# KiCad board SparkFun_RTK_Facet_mosaic_panelized.kicad_pcb (continued)
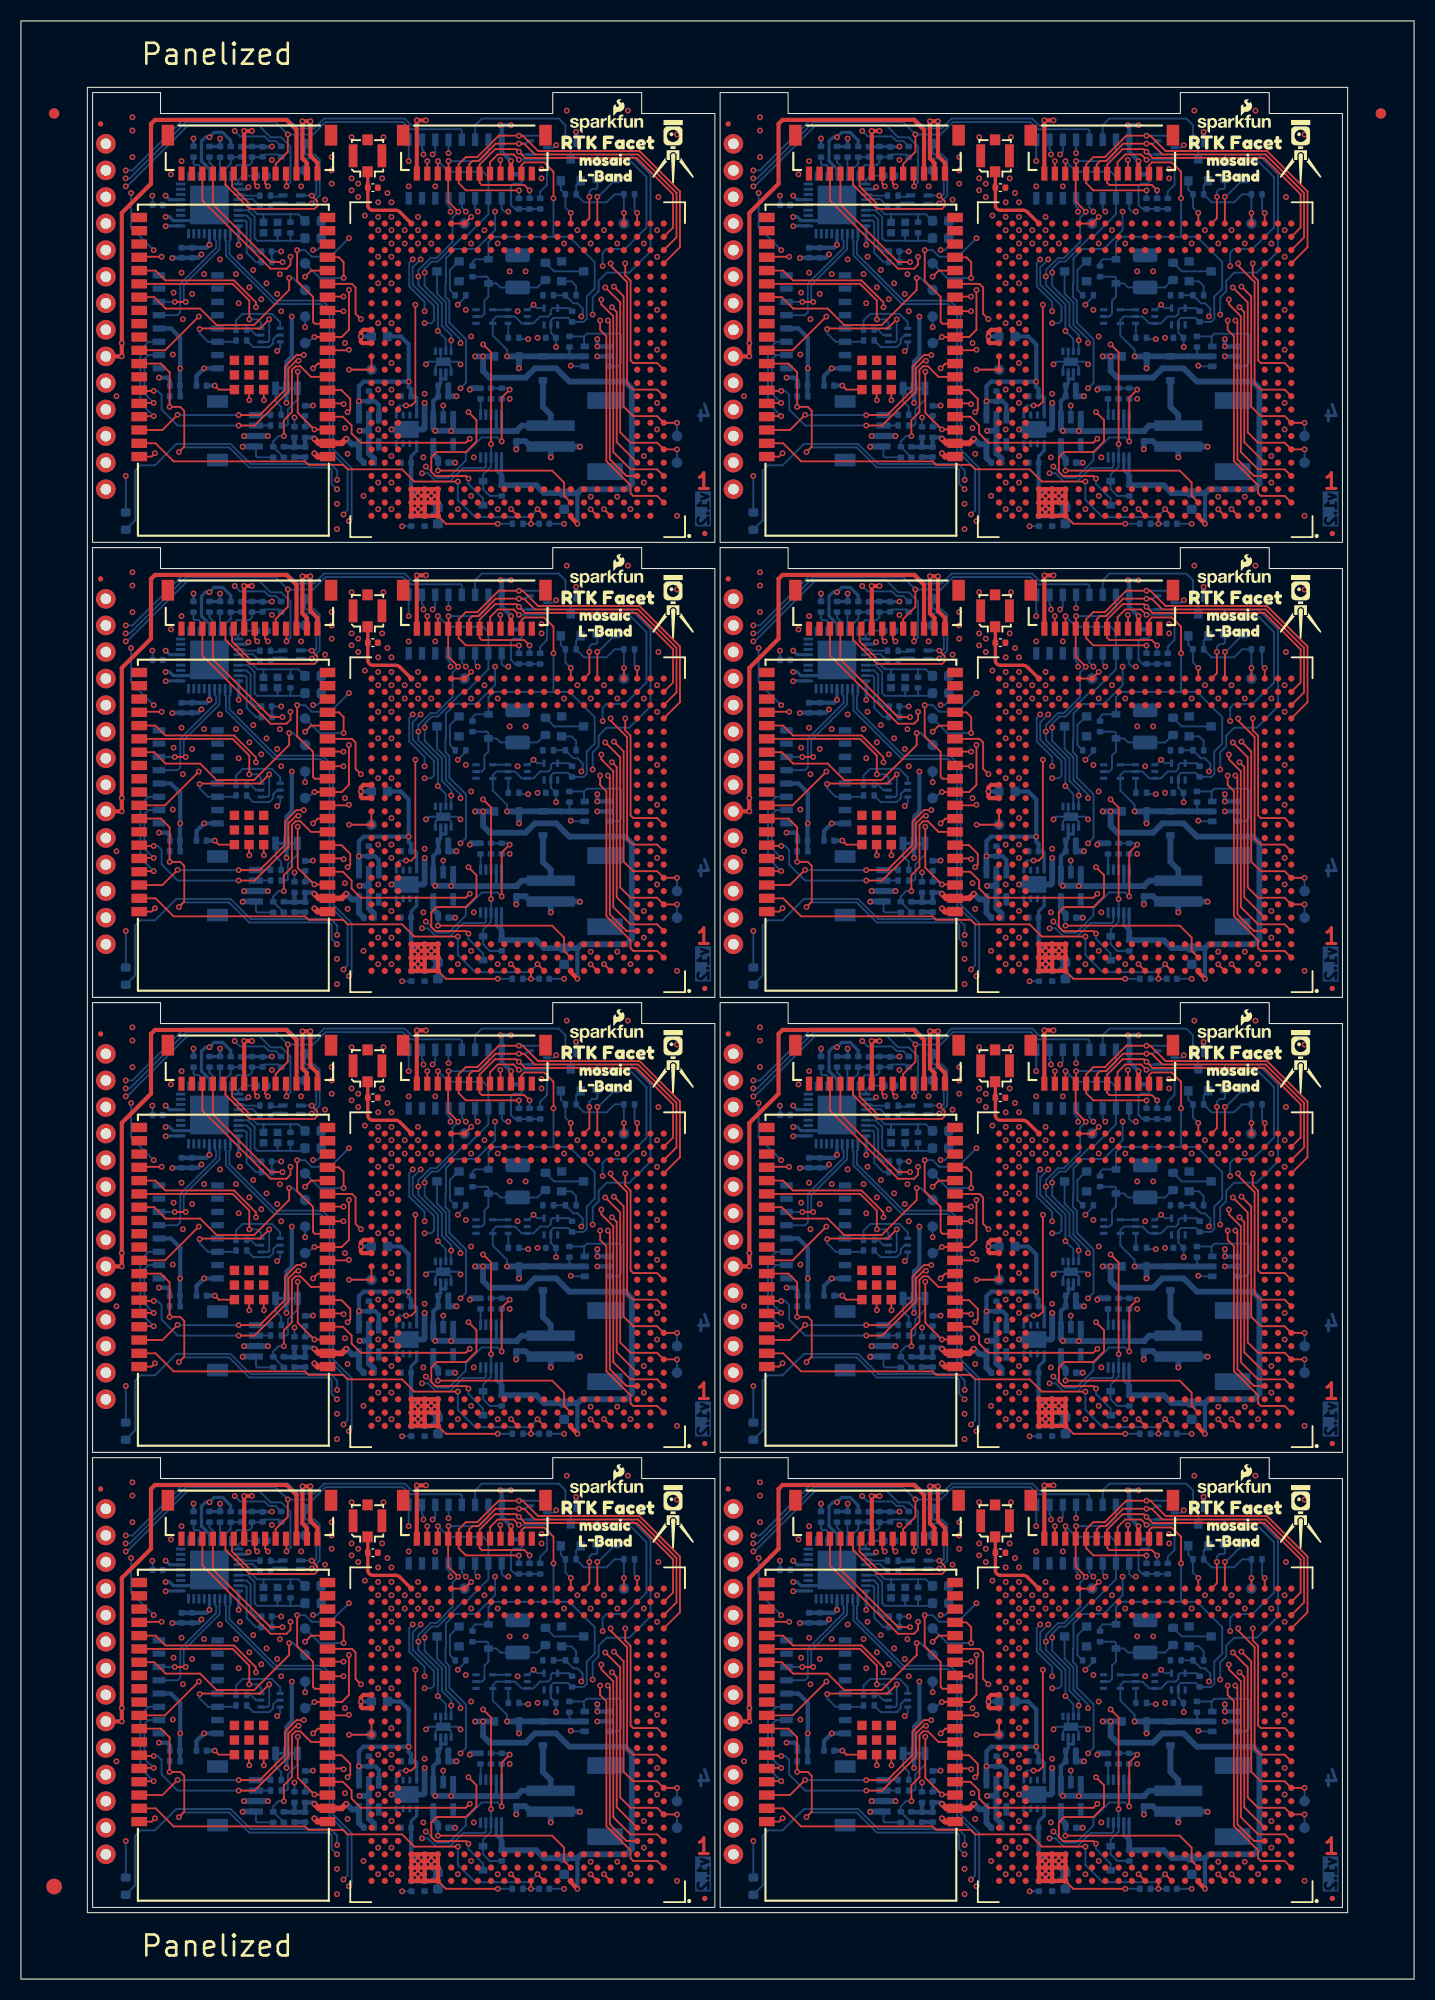
[diagram p0: board, top side]
## Routing (per net, layer and track width the routed paths; a pad name or vN(x,y) marks a point on that pad's centre or on a via; arc(x,y) is an arc through that point) (continued)
VBATT: length 501.7
  In2.Cu w0.559: TP10#4.1 9.39,57.97 9.95,57.41 10.32,57.41 10.4,57.33 10.92,57.33 10.92,57.45 11.08,57.61 30.57,57.61 30.85,57.33 35.93,57.33 v1(39.62,61.02) 41.11,61.02 v1(41.14,60.99) ; v1(41.14,17.49) 41.11,17.52 v1(39.62,17.52) 35.93,13.84 30.85,13.84 30.57,14.11 11.08,14.11 10.92,13.95 10.92,13.84 10.4,13.84 10.32,13.91 9.95,13.91 9.39,14.47 TP10#5.1 ; v1(101.14,147.99) 101.11,148.02 v1(99.62,148.02) 95.93,144.34 90.85,144.34 90.57,144.61 71.08,144.61 70.92,144.45 70.92,144.34 70.4,144.34 70.32,144.41 69.95,144.41 69.39,144.97 TP10#3.1 ; v1(101.14,104.49) 101.11,104.52 v1(99.62,104.52) 95.93,100.84 90.85,100.84 90.57,101.11 71.08,101.11 70.92,100.95 70.92,100.84 70.4,100.84 70.32,100.91 69.95,100.91 69.39,101.47 TP10#8.1 ; TP10#6.1 69.39,14.47 69.95,13.91 70.32,13.91 70.4,13.84 70.92,13.84 70.92,13.95 71.08,14.11 90.57,14.11 90.85,13.84 95.93,13.84 v1(99.62,17.52) 101.11,17.52 v1(101.14,17.49) ; TP10.1 69.39,57.97 69.95,57.41 70.32,57.41 70.4,57.33 70.92,57.33 70.92,57.45 71.08,57.61 90.57,57.61 90.85,57.33 95.93,57.33 v1(99.62,61.02) 101.11,61.02 v1(101.14,60.99) ; v1(41.14,104.49) 41.11,104.52 v1(39.62,104.52) 35.93,100.84 30.85,100.84 30.57,101.11 11.08,101.11 10.92,100.95 10.92,100.84 10.4,100.84 10.32,100.91 9.95,100.91 9.39,101.47 TP10#2.1 ; v1(41.14,147.99) 41.11,148.02 v1(39.62,148.02) 35.93,144.34 30.85,144.34 30.57,144.61 11.08,144.61 10.92,144.45 10.92,144.34 10.4,144.34 10.32,144.41 9.95,144.41 9.39,144.97 TP10#7.1
  Bottom w0.305: U10#4.10 45.95,104.51 ; 100.13,65.97 100.13,65.57 C6#4.1 ; 100.13,65.97 100.13,66.63 ; 100.13,65.97 100.63,65.97 100.63,65.97 U4.2 ; 105.46,149.56 105.46,147.99 105.46,147.99 ; 105.46,19.06 105.46,17.49 105.46,17.49 ; 45.46,62.56 45.46,60.99 45.46,60.99 ; 100.13,109.47 100.63,109.47 100.63,109.47 U4#2.2 ; 100.13,109.47 100.13,110.13 ; 100.13,109.47 100.13,109.07 C6.1 ; C6#6.1 100.13,22.07 100.13,22.47 ; 100.13,22.47 100.13,23.13 ; 100.13,22.47 100.63,22.47 100.63,22.47 U4#7.2 ; U10#7.10 45.95,148.01 ; C6#2.1 100.13,152.57 100.13,152.97 ; 45.46,149.56 45.46,147.99 45.46,147.99 ; 100.13,152.97 100.63,152.97 100.63,152.97 U4#3.2 ; 100.13,152.97 100.13,153.63 ; U4#8.2 40.63,22.47 40.63,22.47 40.13,22.47 ; 40.13,22.47 40.13,22.07 C6#8.1 ; 40.13,22.47 40.13,23.13 ; 105.46,62.56 105.46,60.99 105.46,60.99 ; U4#6.2 40.63,152.97 40.63,152.97 40.13,152.97 ; 40.13,109.47 40.13,109.07 C6#5.1 ; 40.13,109.47 40.13,110.13 ; 40.13,109.47 40.63,109.47 40.63,109.47 U4#5.2 ; 105.46,106.06 105.46,104.49 105.46,104.49 ; 45.46,17.49 45.46,17.49 45.46,19.06 ; U10#5.10 105.95,17.51 ; U10#6.10 105.95,61.01 ; U10#2.10 105.95,148.01 ; 40.13,152.97 40.13,153.63 ; 40.13,152.97 40.13,152.57 C6#7.1 ; U4#4.2 40.63,65.97 40.63,65.97 40.13,65.97 ; U10#8.10 105.95,104.51 ; U10#3.10 45.95,17.51 ; 40.13,65.97 40.13,66.63 ; 40.13,65.97 40.13,65.57 C6#3.1 ; U10.10 45.95,61.01 ; 45.46,104.49 45.46,104.49 45.46,106.06
  Bottom w0.406: U12#8.1 39.43,150.85 C24#5.1 C6#7.1 ; 45.95,61.01 45.97,60.99 ; C6#5.1 C24.1 39.43,107.35 U12#2.1 ; 105.95,61.01 105.97,60.99 ; U12#5.1 39.43,20.35 C24#7.1 C6#8.1 ; C6#3.1 C24#8.1 39.43,63.85 U12#3.1 ; 105.95,17.51 105.97,17.49 ; 45.95,104.51 45.97,104.49 ; C6#4.1 C24#2.1 99.43,63.85 U12#7.1 ; U12#4.1 99.43,107.35 C24#4.1 C6.1 ; U12#6.1 99.43,20.35 C24#3.1 C6#6.1 ; U12.1 99.43,150.85 C24#6.1 C6#2.1 ; 45.95,148.01 45.97,147.99 ; 105.95,148.01 105.97,147.99 ; 105.95,104.51 105.97,104.49 ; 45.95,17.51 45.97,17.49
  Bottom w0.559: U12#3.3 41.33,61.18 v1(41.14,60.99) ; v1(41.14,17.49) C16#5.1 47.88,18.01 J2#8.2 50.65,19.06 49.9,19.8 D4#3.A ; v1(41.14,17.49) 41.11,17.52 v1(39.62,17.52) 39.43,17.71 U12#5.1 ; v1(41.14,17.49) 41.33,17.68 U12#5.3 ; U12#7.3 101.33,61.18 v1(101.14,60.99) ; U12#4.1 99.43,104.71 v1(99.62,104.52) 101.11,104.52 v1(101.14,104.49) ; U12.3 101.33,148.18 v1(101.14,147.99) ; D4#7.A 109.9,150.3 110.65,149.56 J2.2 107.88,148.51 C16.1 v1(101.14,147.99) ; v1(41.14,60.99) C16#7.1 47.88,61.51 J2#2.2 50.65,62.56 49.9,63.3 49.9,65.84 ; v1(41.14,60.99) 41.11,61.02 v1(39.62,61.02) 39.43,61.21 U12#3.1 ; v1(101.14,60.99) C16#4.1 107.88,61.51 J2#4.2 110.65,62.56 109.9,63.3 109.9,65.84 ; v1(101.14,60.99) 101.11,61.02 v1(99.62,61.02) 99.43,61.21 U12#7.1 ; v1(41.14,104.49) 41.11,104.52 v1(39.62,104.52) 39.43,104.71 U12#2.1 ; v1(41.14,104.49) 41.33,104.68 U12#2.3 ; v1(41.14,104.49) C16#2.1 47.88,105.01 J2#5.2 50.65,106.06 49.9,106.8 D4#2.A ; v1(101.14,17.49) C16#6.1 107.88,18.01 J2#3.2 110.65,19.06 109.9,19.8 D4#5.A ; v1(101.14,17.49) 101.33,17.68 U12#6.3 ; v1(101.14,17.49) 101.11,17.52 v1(99.62,17.52) 99.43,17.71 U12#6.1 ; v1(41.14,147.99) C16#8.1 47.88,148.51 J2#7.2 50.65,149.56 49.9,150.3 D4#4.A ; v1(41.14,147.99) 41.11,148.02 v1(39.62,148.02) 39.43,148.21 U12#8.1 ; v1(41.14,147.99) 41.33,148.18 U12#8.3 ; v1(101.14,147.99) 101.11,148.02 v1(99.62,148.02) 99.43,148.21 U12.1 ; v1(101.14,104.49) 101.33,104.68 U12#4.3 ; v1(101.14,104.49) C16#3.1 107.88,105.01 J2#6.2 110.65,106.06 109.9,106.8 D4.A
VBUS_DET: length 50.8
  Bottom w0.178: U9#2.27 80.03,42.25 80.69,42.92 81.84,42.92 82.09,43.17 R20#4.1 83.08,43.68 C10#5.1 83.33,43.93 84.63,43.93 R19#8.2 ; U9#5.27 80.03,85.75 80.69,86.42 81.84,86.42 82.09,86.67 R20.1 83.08,87.18 C10.1 83.33,87.43 84.63,87.43 R19#2.2 ; U9#7.27 20.03,42.25 20.69,42.92 21.84,42.92 22.09,43.17 R20#8.1 23.08,43.68 C10#6.1 23.33,43.93 24.63,43.93 R19#3.2 ; U9#8.27 80.03,172.75 80.69,173.42 81.84,173.42 82.09,173.67 R20#6.1 83.08,174.18 C10#4.1 83.33,174.43 84.63,174.43 R19#4.2 ; U9#4.27 20.03,129.25 20.69,129.92 21.84,129.92 22.09,130.17 R20#3.1 23.08,130.68 C10#8.1 23.33,130.93 24.63,130.93 R19#5.2 ; U9#6.27 80.03,129.25 80.69,129.92 81.84,129.92 82.09,130.17 R20#2.1 83.08,130.68 C10#7.1 83.33,130.93 84.63,130.93 R19#6.2 ; R19#7.2 24.63,87.43 23.33,87.43 C10#3.1 23.08,87.18 R20#7.1 22.09,86.67 21.84,86.42 20.69,86.42 20.03,85.75 U9#3.27 ; U9.27 20.03,172.75 20.69,173.42 21.84,173.42 22.09,173.67 R20#5.1 23.08,174.18 C10#2.1 23.33,174.43 24.63,174.43 R19.2
VIN: length 539.8
  In2.Cu w0.406: v1(46.47,155.13) 46.47,153.68 ; 46.47,153.68 33.34,153.68 31.87,152.21 26.02,152.21 22.72,155.51 15.73,155.51 11.03,160.21 TP11#8.1 ; 46.47,153.68 47.31,153.68 v1(47.62,153.99) ; TP11#3.1 71.03,116.71 75.73,112.01 82.72,112.01 86.02,108.71 91.87,108.71 93.34,110.18 106.47,110.18 ; v1(107.62,110.49) 107.31,110.18 106.47,110.18 ; 106.47,66.68 107.31,66.68 v1(107.62,66.99) ; 106.47,66.68 93.34,66.68 91.87,65.21 86.02,65.21 82.72,68.51 75.73,68.51 71.03,73.21 TP11#5.1 ; 106.47,66.68 v1(106.47,68.13) ; 46.47,110.18 33.34,110.18 31.87,108.71 26.02,108.71 22.72,112.01 15.73,112.01 11.03,116.71 TP11#6.1 ; 46.47,110.18 47.31,110.18 v1(47.62,110.49) ; 46.47,110.18 v1(46.47,111.63) ; 46.47,66.68 47.31,66.68 v1(47.62,66.99) ; 46.47,66.68 v1(46.47,68.13) ; 46.47,66.68 33.34,66.68 31.87,65.21 26.02,65.21 22.72,68.51 15.73,68.51 11.03,73.21 TP11#4.1 ; v1(106.47,24.63) 106.47,23.18 ; 106.47,23.18 107.31,23.18 v1(107.62,23.49) ; 106.47,23.18 93.34,23.18 91.87,21.71 86.02,21.71 82.72,25.01 75.73,25.01 71.03,29.71 TP11#2.1 ; TP11.1 11.03,29.71 15.73,25.01 22.72,25.01 26.02,21.71 31.87,21.71 33.34,23.18 46.47,23.18 ; 106.47,153.68 107.31,153.68 v1(107.62,153.99) ; 106.47,153.68 93.34,153.68 91.87,152.21 86.02,152.21 82.72,155.51 75.73,155.51 71.03,160.21 TP11#7.1 ; 106.47,153.68 v1(106.47,155.13) ; 46.47,23.18 v1(46.47,24.63) ; 46.47,23.18 47.31,23.18 v1(47.62,23.49) ; 106.47,110.18 v1(106.47,111.63)
  Bottom w0.178: R18#4.2 112.44,24.72 112.54,24.63 ; 52.54,111.63 52.44,111.72 R18.2 ; R22#7.1 112.41,72.74 U6#3.5 110.83,72.74 110.66,72.58 110.66,72.19 110.41,71.94 109.65,71.94 109,71.29 U14#2.3 107.89,71.29 107.24,71.94 U14#2.5 105.46,71.94 105.12,71.6 U8#5.5 105.12,70.12 106.47,68.77 v1(106.47,68.13) ; R18#8.2 112.44,68.22 112.54,68.13 ; v1(46.47,111.63) 46.47,112.27 45.12,113.62 U8#3.5 45.12,115.1 45.46,115.44 U14.5 47.24,115.44 47.89,114.79 U14.3 49,114.79 49.65,115.44 50.41,115.44 50.66,115.69 50.66,116.08 50.83,116.24 U6#6.5 52.41,116.24 R22#3.1 ; 52.54,68.13 52.44,68.22 R18#3.2 ; R18#6.2 112.44,155.22 112.54,155.13 ; R22.1 52.41,29.24 U6#4.5 50.83,29.24 50.66,29.07 50.66,28.69 50.41,28.44 49.65,28.44 49,27.79 U14#5.3 47.89,27.79 47.24,28.44 U14#5.5 45.46,28.44 45.12,28.1 U8#8.5 45.12,26.62 46.47,25.26 v1(46.47,24.63) ; 112.54,111.63 112.44,111.72 R18#5.2 ; R22#8.1 112.41,116.24 U6#8.5 110.83,116.24 110.66,116.08 110.66,115.69 110.41,115.44 109.65,115.44 109,114.79 U14#8.3 107.89,114.79 107.24,115.44 U14#8.5 105.46,115.44 105.12,115.1 U8.5 105.12,113.62 106.47,112.27 v1(106.47,111.63) ; 52.54,24.63 52.44,24.72 R18#7.2 ; R22#2.1 52.41,159.74 U6#2.5 50.83,159.74 50.66,159.57 50.66,159.19 50.41,158.94 49.65,158.94 49,158.29 U14#7.3 47.89,158.29 47.24,158.94 U14#7.5 45.46,158.94 45.12,158.6 U8#6.5 45.12,157.12 46.47,155.76 v1(46.47,155.13) ; v1(46.47,68.13) 46.47,68.77 45.12,70.12 U8#2.5 45.12,71.6 45.46,71.94 U14#6.5 47.24,71.94 47.89,71.29 U14#6.3 49,71.29 49.65,71.94 50.41,71.94 50.66,72.19 50.66,72.58 50.83,72.74 U6#5.5 52.41,72.74 R22#6.1 ; v1(106.47,24.63) 106.47,25.26 105.12,26.62 U8#4.5 105.12,28.1 105.46,28.44 U14#3.5 107.24,28.44 107.89,27.79 U14#3.3 109,27.79 109.65,28.44 110.41,28.44 110.66,28.69 110.66,29.07 110.83,29.24 U6#7.5 112.41,29.24 R22#5.1 ; R18#2.2 52.44,155.22 52.54,155.13 ; v1(106.47,155.13) 106.47,155.76 105.12,157.12 U8#7.5 105.12,158.6 105.46,158.94 U14#4.5 107.24,158.94 107.89,158.29 U14#4.3 109,158.29 109.65,158.94 110.41,158.94 110.66,159.19 110.66,159.57 110.83,159.74 U6.5 112.41,159.74 R22#4.1
  Bottom w0.559: Q2#4.2 112.54,111.63 112.54,111.63 111.55,111.63 111.54,111.64 D4.C 107.63,111.64 D3#2.C ; D3#6.C 47.62,66.99 v1(47.62,66.99) ; D3#6.C 47.63,68.14 D4#6.C 51.54,68.14 51.55,68.13 52.54,68.13 52.54,68.13 Q2#3.2 ; D3#6.C v1(46.47,68.13) ; D3#4.C 107.62,23.49 v1(107.62,23.49) ; D3#4.C v1(106.47,24.63) ; D3#4.C 107.63,24.64 D4#5.C 111.54,24.64 111.55,24.63 112.54,24.63 112.54,24.63 Q2.2 ; D3#7.C v1(46.47,24.63) ; D3#7.C 47.63,24.64 D4#3.C 51.54,24.64 51.55,24.63 52.54,24.63 52.54,24.63 Q2#8.2 ; D3#7.C 47.62,23.49 v1(47.62,23.49) ; v1(47.62,153.99) 47.62,153.99 D3#3.C ; v1(47.62,110.49) 47.62,110.49 D3.C ; D3.C 47.63,111.64 D4#2.C 51.54,111.64 51.55,111.63 52.54,111.63 52.54,111.63 Q2#5.2 ; D3.C v1(46.47,111.63) ; D3#8.C 107.62,66.99 v1(107.62,66.99) ; D3#8.C v1(106.47,68.13) ; D3#8.C 107.63,68.14 D4#8.C 111.54,68.14 111.55,68.13 112.54,68.13 112.54,68.13 Q2#2.2 ; D3#5.C v1(106.47,155.13) ; D3#5.C 107.62,153.99 v1(107.62,153.99) ; D3#5.C 107.63,155.14 D4#7.C 111.54,155.14 111.55,155.13 112.54,155.13 112.54,155.13 Q2#6.2 ; D3#3.C v1(46.47,155.13) ; D3#3.C 47.63,155.14 D4#4.C 51.54,155.14 51.55,155.13 52.54,155.13 52.54,155.13 Q2#7.2 ; D3#2.C 107.62,110.49 v1(107.62,110.49) ; D3#2.C v1(106.47,111.63)
CH340-~{DTR}: length 64.9
  Bottom w0.178: U3#3.13 80.44,114.3 R2#2.2 80.56,115.06 81.2,115.69 84,115.69 84.79,114.9 Q1#4.1 ; Q1#2.1 24.79,158.4 24,159.19 21.2,159.19 20.56,158.56 R2#7.2 20.44,157.8 U3#5.13 ; Q1#6.1 24.79,114.9 24,115.69 21.2,115.69 20.56,115.06 R2#4.2 20.44,114.3 U3#6.13 ; U3#8.13 80.44,157.8 R2#5.2 80.56,158.56 81.2,159.19 84,159.19 84.79,158.4 Q1#8.1 ; U3.13 80.44,27.3 R2#3.2 80.56,28.06 81.2,28.69 84,28.69 84.79,27.9 Q1#5.1 ; U3#7.13 20.44,70.8 R2#8.2 20.56,71.56 21.2,72.19 24,72.19 24.79,71.4 Q1.1 ; Q1#7.1 84.79,71.4 84,72.19 81.2,72.19 80.56,71.56 R2#6.2 80.44,70.8 U3#4.13 ; U3#2.13 20.44,27.3 R2.2 20.56,28.06 21.2,28.69 24,28.69 24.79,27.9 Q1#3.1
CH340-~{RTS}: length 113.5
  Top w0.178: v1(83.74,158.67) 82.87,157.8 77.14,157.8 v1(77.09,157.75) ; v1(23.74,115.17) 22.87,114.3 17.14,114.3 v1(17.09,114.25) ; v1(77.09,114.25) 77.14,114.3 82.87,114.3 v1(83.74,115.17) ; v1(17.09,27.25) 17.14,27.3 22.87,27.3 v1(23.74,28.17) ; v1(83.74,28.17) 82.87,27.3 77.14,27.3 v1(77.09,27.25) ; v1(83.74,71.67) 82.87,70.8 77.14,70.8 v1(77.09,70.75) ; v1(23.74,158.67) 22.87,157.8 17.14,157.8 v1(17.09,157.75) ; v1(17.09,70.75) 17.14,70.8 22.87,70.8 v1(23.74,71.67)
  Bottom w0.178: v1(77.09,70.75) 77.09,70.34 77.9,69.53 U3#4.14 80.44,69.53 R3#5.2 ; Q1#7.4 83.6,69.51 83.74,69.65 v1(83.74,71.67) ; v1(17.09,114.25) 17.09,113.84 17.9,113.03 U3#6.14 20.44,113.03 R3.2 ; v1(77.09,114.25) 77.09,113.84 77.9,113.03 U3#3.14 80.44,113.03 R3#8.2 ; v1(77.09,157.75) 77.09,157.34 77.9,156.53 U3#8.14 80.44,156.53 R3#7.2 ; v1(83.74,158.67) 83.74,156.65 83.6,156.51 Q1#8.4 ; v1(17.09,70.75) 17.09,70.34 17.9,69.53 U3#7.14 20.44,69.53 R3#2.2 ; Q1#6.4 23.6,113.01 23.74,113.15 v1(23.74,115.17) ; R3#3.2 20.44,156.53 U3#5.14 17.9,156.53 17.09,157.34 v1(17.09,157.75) ; R3#4.2 20.44,26.03 U3#2.14 17.9,26.03 17.09,26.84 v1(17.09,27.25) ; v1(23.74,28.17) 23.74,26.15 23.6,26.01 Q1#3.4 ; v1(23.74,71.67) 23.74,69.65 23.6,69.51 Q1.4 ; v1(23.74,158.67) 23.74,156.65 23.6,156.51 Q1#2.4 ; Q1#4.4 83.6,113.01 83.74,113.15 v1(83.74,115.17) ; Q1#5.4 83.6,26.01 83.74,26.15 v1(83.74,28.17) ; R3#6.2 80.44,26.03 U3.14 77.9,26.03 77.09,26.84 v1(77.09,27.25)
CHG_LED: length 477.6
  Top w0.178: J4#5.11 38.85,129.1 v1(38.85,130.3) ; v1(38.85,43.3) 38.85,42.1 J4#6.11 ; v1(104.19,69.27) 104.95,68.51 v1(104.95,59.75) ; J4#2.11 38.85,85.6 v1(38.85,86.8) ; v1(98.85,43.3) 98.85,42.1 J4#7.11 ; v1(104.19,25.77) 104.95,25.01 v1(104.95,16.25) ; v1(98.85,130.3) 98.85,129.1 J4#3.11 ; J4#8.11 98.85,172.6 v1(98.85,173.8) ; v1(44.19,69.27) 44.95,68.51 v1(44.95,59.75) ; v1(98.85,86.8) 98.85,85.6 J4.11 ; v1(44.95,103.25) 44.95,112.01 v1(44.19,112.77) ; v1(38.85,173.8) 38.85,172.6 J4#4.11 ; v1(44.95,16.25) 44.95,25.01 v1(44.19,25.77) ; v1(44.19,156.27) 44.95,155.51 v1(44.95,146.75) ; v1(104.19,156.27) 104.95,155.51 v1(104.95,146.75) ; v1(104.95,103.25) 104.95,112.01 v1(104.19,112.77)
  In2.Cu w0.178: v1(38.85,173.8) 39.49,173.16 43.3,173.16 51.68,164.78 56.63,164.78 57.14,164.27 57.14,162.62 57.4,162.37 57.4,158.94 56.25,157.8 45.71,157.8 v1(44.19,156.27) ; v1(38.85,86.8) 39.49,86.16 43.3,86.16 51.68,77.78 56.63,77.78 57.14,77.27 57.14,75.62 57.4,75.37 57.4,71.94 56.25,70.8 45.71,70.8 v1(44.19,69.27) ; v1(38.85,130.3) 39.49,129.66 43.3,129.66 51.68,121.28 56.63,121.28 57.14,120.77 57.14,119.12 57.4,118.87 57.4,115.44 56.25,114.3 45.71,114.3 v1(44.19,112.77) ; v1(44.19,25.77) 45.71,27.3 56.25,27.3 57.4,28.44 57.4,31.87 57.14,32.12 57.14,33.77 56.63,34.28 51.68,34.28 43.3,42.66 39.49,42.66 v1(38.85,43.3) ; v1(104.19,25.77) 105.71,27.3 116.25,27.3 117.4,28.44 117.4,31.87 117.14,32.12 117.14,33.77 116.63,34.28 111.68,34.28 103.3,42.66 99.49,42.66 v1(98.85,43.3) ; v1(98.85,173.8) 99.49,173.16 103.3,173.16 111.68,164.78 116.63,164.78 117.14,164.27 117.14,162.62 117.4,162.37 117.4,158.94 116.25,157.8 105.71,157.8 v1(104.19,156.27) ; v1(98.85,86.8) 99.49,86.16 103.3,86.16 111.68,77.78 116.63,77.78 117.14,77.27 117.14,75.62 117.4,75.37 117.4,71.94 116.25,70.8 105.71,70.8 v1(104.19,69.27) ; v1(98.85,130.3) 99.49,129.66 103.3,129.66 111.68,121.28 116.63,121.28 117.14,120.77 117.14,119.12 117.4,118.87 117.4,115.44 116.25,114.3 105.71,114.3 v1(104.19,112.77)
  Bottom w0.178: R42#6.2 104.82,11.29 104.19,11.93 D6#8.C 104.19,13.33 104.95,14.09 U10#5.3 v1(104.95,16.25) ; R42#7.2 44.82,98.29 44.19,98.93 D6#7.C 44.19,100.33 44.95,101.09 U10#4.3 v1(44.95,103.25) ; v1(44.95,16.25) U10#3.3 44.95,14.09 44.19,13.33 D6#2.C 44.19,11.93 44.82,11.29 R42#4.2 ; v1(44.95,59.75) U10.3 44.95,57.59 44.19,56.83 44.19,55.43 44.82,54.79 45.97,54.79 ; v1(44.95,146.75) U10#7.3 44.95,144.59 44.19,143.83 44.19,142.43 44.82,141.79 R42#3.2 ; v1(104.95,146.75) U10#2.3 104.95,144.59 104.19,143.83 104.19,142.43 104.82,141.79 R42#2.2 ; v1(104.95,59.75) U10#6.3 104.95,57.59 104.19,56.83 104.19,55.43 104.82,54.79 105.97,54.79 ; v1(104.95,103.25) U10#8.3 104.95,101.09 104.19,100.33 D6.C 104.19,98.93 104.82,98.29 R42#5.2
EN: length 11.2
  Bottom w0.178: U14#5.4 46.6,27.76 46.6,26.41 ; U14#8.4 106.6,114.76 106.6,113.41 ; U14#3.4 106.6,27.76 106.6,26.41 ; 106.6,69.91 106.6,71.26 U14#2.4 ; U14#6.4 46.6,71.26 46.6,69.91 ; 106.6,156.91 106.6,158.26 U14#4.4 ; 46.6,156.91 46.6,158.26 U14#7.4 ; U14.4 46.6,114.76 46.6,113.41
ESP0/BOOT: length 118
  Top w0.178: v1(21.84,71.67) 21.84,73.46 20.24,75.06 U1#3.25 ; U1#5.25 80.24,31.56 81.84,29.96 v1(81.84,28.17) ; U1.25 20.24,118.56 21.84,116.96 v1(21.84,115.17) ; v1(21.84,158.67) 21.84,160.46 20.24,162.06 U1#4.25 ; v1(81.84,115.17) 81.84,116.96 80.24,118.56 U1#6.25 ; v1(81.84,158.67) 81.84,160.46 80.24,162.06 U1#8.25 ; v1(21.84,28.17) 21.84,29.96 20.24,31.56 U1#7.25 ; U1#2.25 80.24,75.06 81.84,73.46 v1(81.84,71.67)
  Bottom w0.178: Q1#2.6 22.95,158.34 22.61,158.67 v1(21.84,158.67) ; v1(21.84,115.17) 22.61,115.17 22.95,114.84 Q1#6.6 ; Q1#8.6 82.95,158.34 82.61,158.67 v1(81.84,158.67) ; Q1#5.6 82.95,27.84 82.61,28.17 v1(81.84,28.17) ; v1(21.84,28.17) 22.61,28.17 22.95,27.84 Q1#3.6 ; v1(21.84,71.67) 22.61,71.67 22.95,71.34 Q1.6 ; Q1#7.6 82.95,71.34 82.61,71.67 v1(81.84,71.67) ; Q1#4.6 82.95,114.84 82.61,115.17 v1(81.84,115.17)
ESP1/CH340-RX: length 82.9
  Top w0.178: U1#5.35 71.37,18.91 v1(72.69,18.91) ; U1.35 11.36,105.91 v1(12.69,105.91) ; U1#8.35 71.37,149.41 v1(72.69,149.41) ; U1#4.35 11.36,149.41 v1(12.69,149.41) ; v1(72.69,105.91) 71.37,105.91 U1#6.35 ; U1#3.35 11.36,62.42 v1(12.69,62.42) ; U1#7.35 11.36,18.91 v1(12.69,18.91) ; U1#2.35 71.37,62.42 v1(72.69,62.42)
  Bottom w0.178: v1(12.69,105.91) 11.42,107.19 11.42,112.27 12.18,113.03 U3#6.3 ; v1(72.69,149.41) 71.42,150.69 71.42,155.76 72.18,156.53 U3#8.3 ; v1(72.69,62.42) 71.42,63.69 71.42,68.77 72.18,69.53 U3#4.3 ; v1(12.69,149.41) 11.42,150.69 11.42,155.76 12.18,156.53 U3#5.3 ; v1(72.69,18.91) 71.42,20.19 71.42,25.26 72.18,26.03 U3.3 ; v1(12.69,18.91) 11.42,20.19 11.42,25.26 12.18,26.03 U3#2.3 ; v1(72.69,105.91) 71.42,107.19 71.42,112.27 72.18,113.03 U3#3.3 ; v1(12.69,62.42) 11.42,63.69 11.42,68.77 12.18,69.53 U3#7.3
ESP2/MUXA: length 434.2
  Top w0.178: v1(82.47,29.33) 82.47,29.8 80.37,31.89 73.81,31.89 72.87,32.83 U1#5.24 ; U1#7.24 12.87,32.83 13.81,31.89 20.37,31.89 22.47,29.8 v1(22.47,29.33) ; U1#6.24 72.87,119.83 73.81,118.89 80.37,118.89 82.47,116.8 v1(82.47,116.33) ; v1(22.47,72.83) 22.47,73.3 20.37,75.39 13.81,75.39 12.87,76.33 U1#3.24 ; v1(82.47,159.83) 82.47,160.3 80.37,162.39 73.81,162.39 72.87,163.33 U1#8.24 ; v1(22.47,116.33) 22.47,116.8 20.37,118.89 13.81,118.89 12.87,119.83 U1.24 ; U1#2.24 72.87,76.33 73.81,75.39 80.37,75.39 82.47,73.3 v1(82.47,72.83) ; v1(22.47,159.83) 22.47,160.3 20.37,162.39 13.81,162.39 12.87,163.33 U1#4.24
  In2.Cu w0.178: v1(38.49,87.43) 36.82,87.43 36.55,87.17 36.55,86.18 40.22,82.51 40.22,81.61 40.43,81.4 40.43,78.43 39.91,77.91 38.45,77.91 38.43,77.92 37.98,77.92 v1(37.46,77.4) ; v1(38.49,130.93) 36.82,130.93 36.55,130.67 36.55,129.68 40.22,126.01 40.22,125.11 40.43,124.9 40.43,121.93 39.91,121.41 38.45,121.41 38.43,121.42 37.98,121.42 v1(37.46,120.9) ; v1(98.49,43.93) 96.82,43.93 96.55,43.67 96.55,42.68 100.22,39.01 100.22,38.11 100.43,37.9 100.43,34.93 99.91,34.41 98.45,34.41 98.43,34.42 97.98,34.42 v1(97.46,33.9) ; v1(97.46,164.4) 97.98,164.92 98.43,164.92 98.45,164.91 99.91,164.91 100.43,165.43 100.43,168.4 100.22,168.61 100.22,169.51 96.55,173.18 96.55,174.17 96.82,174.43 v1(98.49,174.43) ; v1(98.49,130.93) 96.82,130.93 96.55,130.67 96.55,129.68 100.22,126.01 100.22,125.11 100.43,124.9 100.43,121.93 99.91,121.41 98.45,121.41 98.43,121.42 97.98,121.42 v1(97.46,120.9) ; v1(22.47,29.33) 22.47,28.71 24.39,26.79 27.42,26.79 27.81,27.17 29.96,27.17 31.74,28.95 v1(38.6,28.95) ; v1(98.6,72.45) 91.74,72.45 89.96,70.67 87.81,70.67 87.42,70.29 84.39,70.29 82.47,72.21 v1(82.47,72.83) ; v1(38.49,43.93) 36.82,43.93 36.55,43.67 36.55,42.68 40.22,39.01 40.22,38.11 40.43,37.9 40.43,34.93 39.91,34.41 38.45,34.41 38.43,34.42 37.98,34.42 v1(37.46,33.9) ; v1(82.47,116.33) 82.47,115.71 84.39,113.79 87.42,113.79 87.81,114.17 89.96,114.17 91.74,115.95 v1(98.6,115.95) ; v1(22.47,116.33) 22.47,115.71 24.39,113.79 27.42,113.79 27.81,114.17 29.96,114.17 31.74,115.95 v1(38.6,115.95) ; v1(97.46,77.4) 97.98,77.92 98.43,77.92 98.45,77.91 99.91,77.91 100.43,78.43 100.43,81.4 100.22,81.61 100.22,82.51 96.55,86.18 96.55,87.17 96.82,87.43 v1(98.49,87.43) ; v1(98.6,159.45) 91.74,159.45 89.96,157.67 87.81,157.67 87.42,157.29 84.39,157.29 82.47,159.21 v1(82.47,159.83) ; v1(37.46,164.4) 37.98,164.92 38.43,164.92 38.45,164.91 39.91,164.91 40.43,165.43 40.43,168.4 40.22,168.61 40.22,169.51 36.55,173.18 36.55,174.17 36.82,174.43 v1(38.49,174.43) ; v1(38.6,72.45) 31.74,72.45 29.96,70.67 27.81,70.67 27.42,70.29 24.39,70.29 22.47,72.21 v1(22.47,72.83) ; v1(98.6,28.95) 91.74,28.95 89.96,27.17 87.81,27.17 87.42,26.79 84.39,26.79 82.47,28.71 v1(82.47,29.33) ; v1(38.6,159.45) 31.74,159.45 29.96,157.67 27.81,157.67 27.42,157.29 24.39,157.29 22.47,159.21 v1(22.47,159.83)
  Bottom w0.178: U13#8.10 38.35,87.94 38.49,87.8 v1(38.49,87.43) ; v1(38.49,174.43) 38.49,174.8 38.35,174.94 U13#2.10 ; v1(38.6,115.95) 38.6,116.84 37.13,118.31 37.13,120.57 v1(37.46,120.9) ; v1(97.46,33.9) 97.13,33.57 97.13,31.31 98.6,29.84 v1(98.6,28.95) ; U13#3.10 98.35,44.44 98.49,44.3 v1(98.49,43.93) ; v1(98.49,130.93) 98.49,131.3 98.35,131.44 U13.10 ; v1(97.46,120.9) 97.13,120.57 97.13,118.31 98.6,116.84 v1(98.6,115.95) ; v1(38.6,72.45) 38.6,73.34 37.13,74.81 37.13,77.07 v1(37.46,77.4) ; v1(38.49,43.93) 38.49,44.3 38.35,44.44 U13#4.10 ; v1(97.46,164.4) 97.13,164.07 97.13,161.81 98.6,160.34 v1(98.6,159.45) ; v1(38.49,130.93) 38.49,131.3 38.35,131.44 U13#7.10 ; v1(37.46,164.4) 37.13,164.07 37.13,161.81 38.6,160.34 v1(38.6,159.45) ; v1(98.6,72.45) 98.6,73.34 97.13,74.81 97.13,77.07 v1(97.46,77.4) ; U13#6.10 98.35,87.94 98.49,87.8 v1(98.49,87.43) ; v1(37.46,33.9) 37.13,33.57 37.13,31.31 38.6,29.84 v1(38.6,28.95) ; v1(98.49,174.43) 98.49,174.8 98.35,174.94 U13#5.10
ESP3/CH340-TX: length 60.1
  Top w0.178: v1(12.69,107.19) 11.36,107.19 U1.34 ; v1(12.69,20.19) 11.36,20.19 U1#7.34 ; U1#3.34 11.36,63.69 v1(12.69,63.69) ; U1#5.34 71.37,20.19 v1(72.69,20.19) ; U1#6.34 71.37,107.19 v1(72.69,107.19) ; v1(12.69,150.69) 11.36,150.69 U1#4.34 ; U1#2.34 71.37,63.69 v1(72.69,63.69) ; v1(72.69,150.69) 71.37,150.69 U1#8.34
  Bottom w0.178: 13.19,24.76 12.18,24.76 11.8,24.38 11.8,21.07 v1(12.69,20.19) ; v1(72.69,20.19) 71.8,21.07 71.8,24.38 72.18,24.76 73.19,24.76 ; v1(12.69,150.69) 11.8,151.57 11.8,154.88 12.18,155.26 U3#5.2 ; U3#8.2 72.18,155.26 71.8,154.88 71.8,151.57 v1(72.69,150.69) ; v1(12.69,63.69) 11.8,64.57 11.8,67.88 12.18,68.26 U3#7.2 ; U3#6.2 12.18,111.76 11.8,111.38 11.8,108.07 v1(12.69,107.19) ; U3#4.2 72.18,68.26 71.8,67.88 71.8,64.57 v1(72.69,63.69) ; v1(72.69,107.19) 71.8,108.07 71.8,111.38 72.18,111.76 U3#3.2
ESP4/MTX4: length 556.1
  Top w0.178: U2#6.E3 116.96,103.43 116.96,115.87 v1(116.51,116.33) ; U2#5.E3 56.96,59.93 56.96,72.37 v1(56.51,72.83) ; v1(85.65,119.12) 85.65,117.98 82.29,114.63 78.71,114.63 77.14,116.2 73.84,116.2 72.75,117.29 U1#6.26 ; U1#7.26 12.75,30.29 13.83,29.2 17.14,29.2 18.71,27.63 22.29,27.63 25.65,30.98 v1(25.65,32.12) ; v1(56.51,116.33) 56.96,115.87 56.96,103.43 U2#8.E3 ; U2.E3 116.96,146.93 116.96,159.37 v1(116.51,159.83) ; U1#8.26 72.75,160.79 73.84,159.7 77.14,159.7 78.71,158.13 82.29,158.13 85.65,161.48 v1(85.65,162.62) ; v1(85.65,32.12) 85.65,30.98 82.29,27.63 78.71,27.63 77.14,29.2 73.84,29.2 72.75,30.29 U1#5.26 ; v1(85.65,75.62) 85.65,74.48 82.29,71.13 78.71,71.13 77.14,72.7 73.84,72.7 72.75,73.79 U1#2.26 ; U2#4.E3 56.96,16.43 56.96,28.87 v1(56.51,29.33) ; U1.26 12.75,117.29 13.83,116.2 17.14,116.2 18.71,114.63 22.29,114.63 25.65,117.98 v1(25.65,119.12) ; U2#3.E3 116.96,16.43 116.96,28.87 v1(116.51,29.33) ; v1(25.65,75.62) 25.65,74.48 22.29,71.13 18.71,71.13 17.14,72.7 13.83,72.7 12.75,73.79 U1#3.26 ; U1#4.26 12.75,160.79 13.83,159.7 17.14,159.7 18.71,158.13 22.29,158.13 25.65,161.48 v1(25.65,162.62) ; v1(116.51,72.83) 116.96,72.37 116.96,59.93 U2#2.E3 ; v1(56.51,159.83) 56.96,159.37 56.96,146.93 U2#7.E3
  In2.Cu w0.178: v1(116.51,29.33) 116.51,30.22 116.14,30.59 115.39,30.59 114.89,31.08 96.83,31.08 96.48,30.73 93.01,30.73 91.09,32.64 88.58,32.64 87.55,31.61 86.15,31.61 v1(85.65,32.12) ; v1(56.51,72.83) 56.51,73.72 56.14,74.09 55.39,74.09 54.89,74.58 36.83,74.58 36.48,74.23 33.01,74.23 31.09,76.14 28.58,76.14 27.55,75.11 26.15,75.11 v1(25.65,75.62) ; v1(56.51,29.33) 56.51,30.22 56.14,30.59 55.39,30.59 54.89,31.08 36.83,31.08 36.48,30.73 33.01,30.73 31.09,32.64 28.58,32.64 27.55,31.61 26.15,31.61 v1(25.65,32.12) ; v1(116.51,72.83) 116.51,73.72 116.14,74.09 115.39,74.09 114.89,74.58 96.83,74.58 96.48,74.23 93.01,74.23 91.09,76.14 88.58,76.14 87.55,75.11 86.15,75.11 v1(85.65,75.62) ; v1(56.51,116.33) 56.51,117.22 56.14,117.59 55.39,117.59 54.89,118.08 36.83,118.08 36.48,117.73 33.01,117.73 31.09,119.64 28.58,119.64 27.55,118.62 26.15,118.62 v1(25.65,119.12) ; v1(85.65,119.12) 86.15,118.62 87.55,118.62 88.58,119.64 91.09,119.64 93.01,117.73 96.48,117.73 96.83,118.08 114.89,118.08 115.39,117.59 116.14,117.59 116.51,117.22 v1(116.51,116.33) ; v1(56.51,159.83) 56.51,160.72 56.14,161.09 55.39,161.09 54.89,161.58 36.83,161.58 36.48,161.23 33.01,161.23 31.09,163.14 28.58,163.14 27.55,162.12 26.15,162.12 v1(25.65,162.62) ; v1(85.65,162.62) 86.15,162.12 87.55,162.12 88.58,163.14 91.09,163.14 93.01,161.23 96.48,161.23 96.83,161.58 114.89,161.58 115.39,161.09 116.14,161.09 116.51,160.72 v1(116.51,159.83)
  Bottom w0.178: v1(85.65,75.62) 86.03,75.62 TP18#2.1 ; TP18#8.1 26.03,119.12 v1(25.65,119.12) ; v1(85.65,32.12) 86.03,32.12 TP18#7.1 ; TP18.1 26.03,75.62 v1(25.65,75.62) ; v1(85.65,162.62) 86.03,162.62 TP18#5.1 ; v1(85.65,119.12) 86.03,119.12 TP18#6.1 ; v1(25.65,162.62) 26.03,162.62 TP18#3.1 ; v1(25.65,32.12) 26.03,32.12 TP18#4.1
ESP12/MUXB: length 285.3
  Top w0.178: U1#5.14 91.65,31.56 92,31.22 92,28.69 v1(92.5,28.19) ; U1#7.14 31.65,31.56 32,31.22 32,28.69 v1(32.5,28.19) ; U1#3.14 31.65,75.06 32,74.72 32,72.19 v1(32.5,71.69) ; v1(32.5,115.19) 32,115.69 32,118.22 31.65,118.56 U1.14 ; v1(92.5,115.19) 92,115.69 92,118.22 91.65,118.56 U1#6.14 ; U1#4.14 31.65,162.06 32,161.72 32,159.19 v1(32.5,158.69) ; v1(92.5,158.69) 92,159.19 92,161.72 91.65,162.06 U1#8.14 ; U1#2.14 91.65,75.06 92,74.72 92,72.19 v1(92.5,71.69)
  In2.Cu w0.178: v1(38.6,27.81) 37.79,28.62 32.94,28.62 v1(32.5,28.19) ; v1(98.6,158.31) 97.79,159.12 92.94,159.12 v1(92.5,158.69) ; v1(97.08,43.3) 99.09,41.28 99.09,40.65 100.55,39.19 100.55,38.24 100.76,38.04 100.76,34.79 99.87,33.9 v1(98.22,33.9) ; v1(92.5,28.19) 92.94,28.62 97.79,28.62 v1(98.6,27.81) ; v1(32.5,158.69) 32.94,159.12 37.79,159.12 v1(38.6,158.31) ; v1(97.08,173.8) 99.09,171.78 99.09,171.15 100.55,169.69 100.55,168.74 100.76,168.54 100.76,165.29 99.87,164.4 v1(98.22,164.4) ; v1(38.22,33.9) 39.87,33.9 40.76,34.79 40.76,38.04 40.55,38.24 40.55,39.19 39.09,40.65 39.09,41.28 v1(37.08,43.3) ; v1(97.08,130.3) 99.09,128.28 99.09,127.65 100.55,126.19 100.55,125.24 100.76,125.04 100.76,121.79 99.87,120.9 v1(98.22,120.9) ; v1(37.08,130.3) 39.09,128.28 39.09,127.65 40.55,126.19 40.55,125.24 40.76,125.04 40.76,121.79 39.87,120.9 v1(38.22,120.9) ; v1(32.5,71.69) 32.94,72.12 37.79,72.12 v1(38.6,71.31) ; v1(98.22,77.4) 99.87,77.4 100.76,78.29 100.76,81.54 100.55,81.74 100.55,82.69 99.09,84.15 99.09,84.78 v1(97.08,86.8) ; v1(38.6,114.81) 37.79,115.62 32.94,115.62 v1(32.5,115.19) ; v1(37.08,173.8) 39.09,171.78 39.09,171.15 40.55,169.69 40.55,168.74 40.76,168.54 40.76,165.29 39.87,164.4 v1(38.22,164.4) ; v1(98.6,114.81) 97.79,115.62 92.94,115.62 v1(92.5,115.19) ; v1(37.08,86.8) 39.09,84.78 39.09,84.15 40.55,82.69 40.55,81.74 40.76,81.54 40.76,78.29 39.87,77.4 v1(38.22,77.4) ; v1(98.6,71.31) 97.79,72.12 92.94,72.12 v1(92.5,71.69)